# Altium PCB SI944D.PcbDoc (part 5 of 5)
Units mm, origin at the board's own origin, x right, y up, seen from the top; angles counter-clockwise.
Board outline 281.94 x 89 mm, 4 copper layers (Top, MidLayer1, MidLayer2, Bottom), stack 1.65 mm thick; 571 components, 351 nets, 1529 pads, 905 vias.
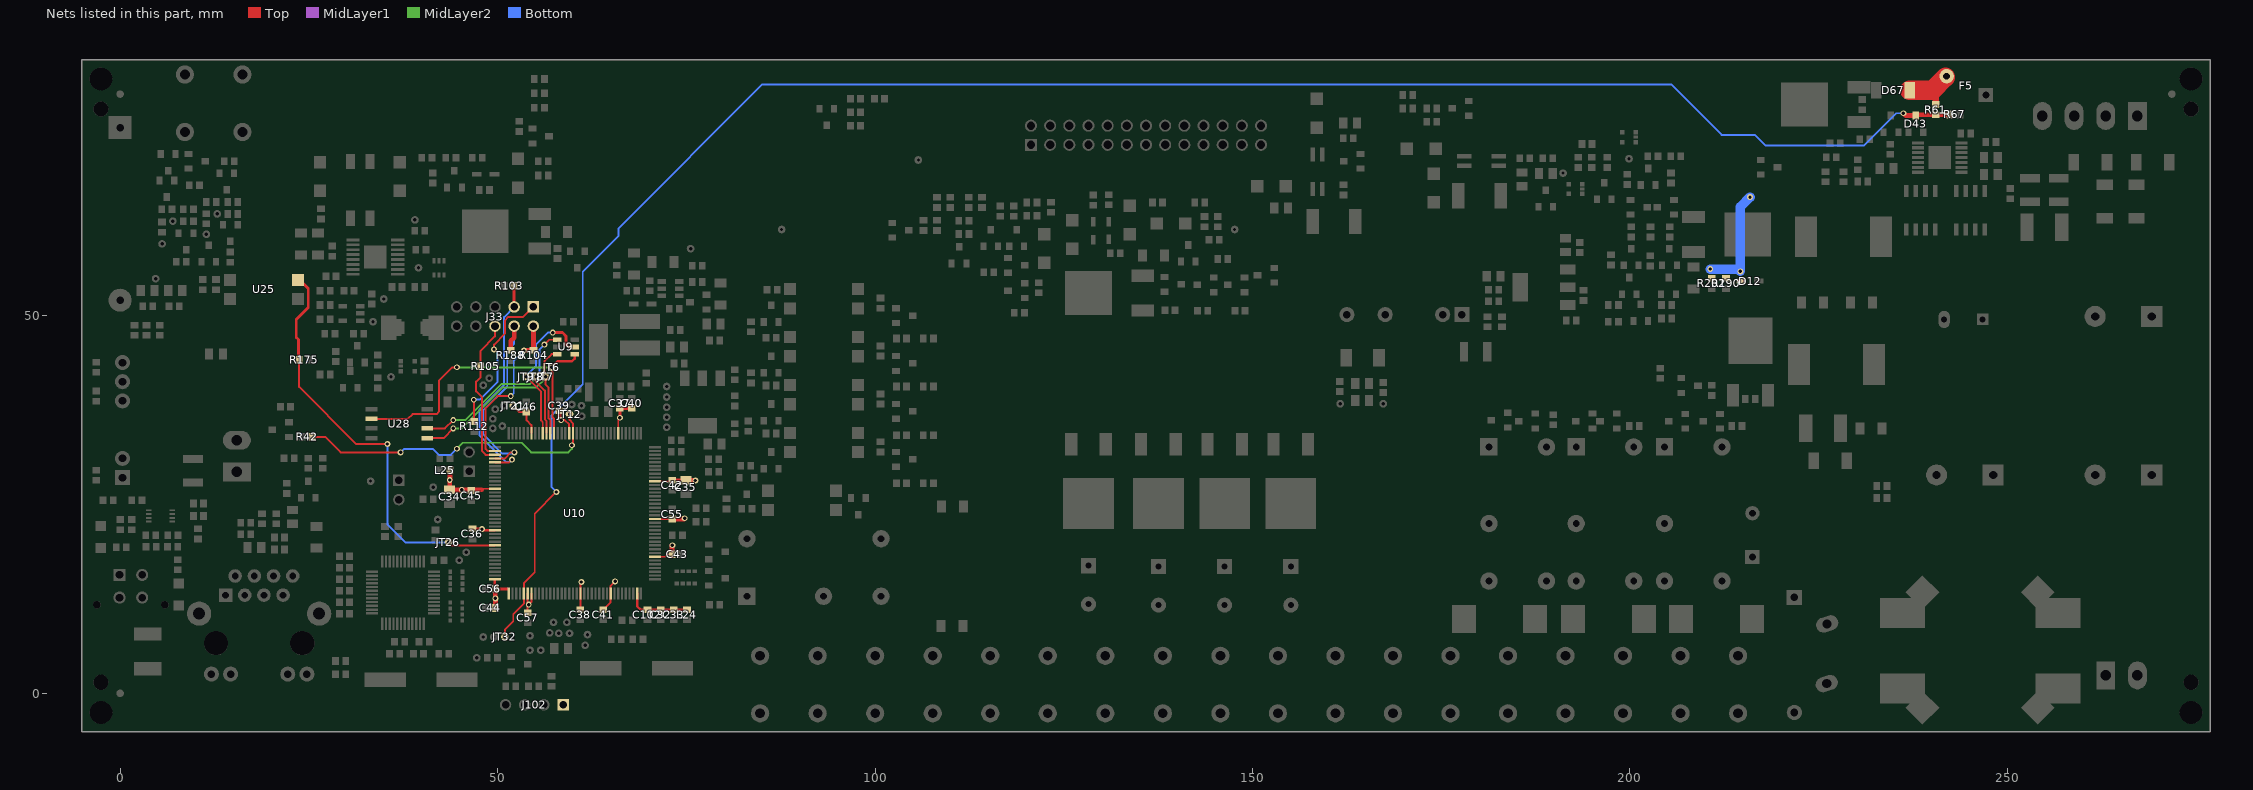
[diagram p7: the nets of this part, all layers, seen from the top]

## Via types
v1: diameter 0.77, hole 0.45, Top to Bottom, 900 vias
v2: diameter 1.27, hole 0.8, Top to Bottom, 4 vias
v3: diameter 1.016, hole 0.45, Top to Bottom, 1 vias

## Nets (pads, with @x,y where several pads share a name; then routed paths per layer and width w, separated by ;. In a path a pad name is that pad's centre, name@x,y a point inside that pad or via, vN(x,y) a via of type N, cw(c..) or ccw(c..) an arc to the next point about the centre after c; other vN are vias at no path point) (continued)
UC_SPI_CS: JT9.1 U9.5 U10.27 | length 20.4
  Top w0.254: JT9.1@53.816,41.91 55.753,39.973 55.753,36.163 55.982,35.934 U10.27@55.982,34.443
  Top w0.381: v1(57.309,47.784) 58.579,47.784 59.055,47.307 59.055,46.196 59.372,45.879 U9.5@60.205,45.879
  Bottom w0.254: JT9.1@53.816,41.91 53.816,42.069 55.086,43.339 55.086,46.196 56.674,47.784 v1(57.309,47.784)
UC_SPI_MISO: JT6.1 U9.4 U10.24 U28.2 | length 42.1
  Top w0.254: U28.2@33.289,36.354 38.1,36.354 38.735,36.989 41.91,36.989 42.227,37.306 42.227,41.434 43.974,43.18 v1(44.609,43.18) ; JT6.1@57.277,43.307 57.277,36.544 57.482,36.339 U10.24@57.482,34.443
  Top w0.305: JT6.1@57.277,43.307 57.944,43.974 59.849,43.974 60.205,44.33 U9.4@60.205,44.929
  MidLayer2 w0.254: v1(44.609,43.18) 56.832,43.18 JT6.1@57.15,43.497
UC_SPI_MOSI: JT7.1 U9.3 U10.25 U28.5 | length 31.1
  Top w0.254: U28.5@40.689,33.814 42.862,33.814 v1(44.133,35.084) ; U10.25@56.982,34.443 56.982,36.204 56.769,36.417 56.769,40.481 56.356,40.894 JT7.1@56.356,41.91 56.197,42.069 56.197,43.974 57.152,44.929 U9.3@57.905,44.929
  MidLayer2 w0.254: v1(44.133,35.084) 45.244,35.084 50.641,40.481 55.086,40.481 56.356,41.751 JT7.1@56.356,41.91
UC_SPI_SCK: JT8.1 U9.1 U10.26 U28.6 | length 32.2
  Top w0.254: U28.6@40.689,35.084 43.021,35.084 v1(44.133,36.195) ; JT8.1@55.086,42.069 JT8.1@55.086,41.91 55.086,41.275 56.261,40.1 56.261,36.29 56.482,36.069 U10.26@56.482,34.443 ; v1(56.197,46.196) 56.83,46.829 U9.1@57.905,46.829
  MidLayer2 w0.254: v1(44.133,36.195) 45.72,36.195 50.482,40.957 54.292,40.957 55.086,41.751 JT8.1@55.086,41.91 JT8.1@55.086,42.069
  Bottom w0.254: JT8.1@55.086,42.069 55.562,42.545 55.562,45.561 v1(56.197,46.196)
UC_T\R\S\T\/DSCLK: J33.6 R105.1 U10.39 | length 19.8
  Top w0.254: U10.39@49.632,31.593 48.417,31.593 47.942,32.067 47.942,39.211 47.149,40.005 47.149,41.275 47.748,41.874 R105.1@47.748,43.339 47.748,45.367 49.657,47.276 J33.6@49.657,48.641
UC_TCLK: J33.1 R112.1 | length 20.5
  Top w0.254: v1(46.831,38.894) 46.899,38.826 R112.1@46.899,36.012 ; v1(49.53,45.561) 49.53,46.196 50.959,47.625 50.959,49.371 51.435,49.847 53.404,49.847 J33.1@54.737,51.181
  Bottom w0.254: v1(46.831,38.894) 47.625,38.894 50.006,41.275 50.006,45.085 v1(49.53,45.561)
UC_TDI/DSI: J33.4 R188.1 U10.40 | length 27.6
  Top w0.254: U10.40@49.632,31.093 50.937,31.093 51.752,31.909 v1(52.229,31.909)
  Top w0.635: R188.1@51.752,45.438 51.752,46.672 52.197,47.117 J33.4@52.197,48.641
  Bottom w0.254: J33.4@52.197,48.641 52.197,46.323 51.276,45.402 51.276,40.64 48.101,37.465 48.101,34.29 50.641,31.75 52.07,31.75 v1(52.229,31.909)
UC_TDO/DSO: J33.3 R103.1 U10.41 | length 30
  Top w0.254: U10.41@49.632,30.593 51.548,30.593 v1(51.911,30.956)
  Top w0.381: J33.3@52.193,51.185 R103.1@52.193,53.975
  Top w0.635: J33.3@52.193,51.185 J33.3@52.197,51.181
  Bottom w0.254: v1(51.911,30.956) 51.594,30.639 51.117,30.639 47.625,34.131 47.625,37.624 50.858,40.857 50.858,49.842 J33.3@52.197,51.181
UC_TELEINFO_DATA: JT26.1 R175.1 U10.63 U25.4 | length 56.4
  Top w0.254: R175.1@23.713,44.196 23.713,40.58 31.274,33.02 v1(35.401,33.02) v1@35.401,32.861 ; JT26.1@43.497,20.002 43.907,19.593 U10.63@49.632,19.593
  Top w0.381: R175.1@23.622,44.196 23.622,46.863 23.336,47.149 23.336,49.53 24.924,51.117 24.924,53.617 U25.4@23.677,54.864
  Bottom w0.254: v1@35.433,32.861 35.433,22.352 37.782,20.002 JT26.1@43.497,20.002
UC_TELEINFO_LED: JT12.1 R42.1 U10.19 | length 42.4
  Top w0.254: R42.1@25.436,33.972 27.146,33.972 29.21,31.909 v1(37.148,31.909) ; JT12.1@59.531,36.989 59.531,36.227 59.982,35.776 U10.19@59.982,34.443 59.982,32.995 v1(59.849,32.861)
  MidLayer1 w0.254: JT12.1@59.531,36.989 JT12.1@59.531,37.148
  MidLayer2 w0.254: v1(44.609,32.385) 45.413,33.189 53.171,33.189 54.451,31.909 59.372,31.909 59.849,32.385 v1(59.849,32.861)
  Bottom w0.254: v1@36.989,32.067 v1(37.148,31.909) 37.624,32.385 41.434,32.385 42.227,31.591 43.815,31.591 v1(44.609,32.385)
UC_TMS/B\K\P\T\: J33.2 R104.1 U10.38 | length 22
  Top w0.254: U10.38@49.632,32.093 48.711,32.093 48.419,32.385 48.419,37.782 50.006,39.37 v1(51.752,39.37)
  Top w0.635: v1(53.499,45.402) 53.534,45.438 R104.1@54.769,45.438 54.769,48.609 J33.2@54.737,48.641
  Bottom w0.254: v1(51.752,39.37) 52.142,39.76 52.142,44.046 v1(53.499,45.402)
UC_VBATT: D43.3 JT32.1 R61.1 R67.2 U10.77 | length 250.4
  Top w0.254: JT32.1@50.959,7.461 50.959,8.414 52.07,9.525 52.07,10.477 53.482,11.89 U10.77@53.482,13.243 53.482,14.605 54.927,16.05 54.927,23.812 v1(57.785,26.67)
  Top w0.635: v1(236.22,76.835) 236.517,76.538 D43.3@237.871,76.538 237.974,76.641 R61.1@240.506,76.641 242.34,76.641 R67.2@242.376,76.676
  Bottom w0.254: v1(57.785,26.67) 57.15,27.305 57.15,36.83 61.277,40.957 61.277,55.816 66.04,60.579 66.04,61.595 85.09,80.645 205.461,80.645 212.128,73.977 216.535,73.977 217.964,72.549 230.981,72.549 235.267,76.835 v1(236.22,76.835)
VBATT: D12.K D67.A F5.2 R61.2 R190.2 R202.2 | length 21.8
  Top w0.889: 240.411,79.756 240.506,79.661 R61.2@240.506,77.982
  Top w2.54: D67.A@237.036,79.883 240.062,79.883 F5.2@241.776,81.597
  Bottom w1.27: v1(210.629,56.197) 214.312,56.197 v1(214.63,55.88) 214.63,64.453 v1(215.9,65.722)
VDD_CPU: C34.2 C35.2 C36.1 C37.1 C38.1 C39.1 C40.1 C41.1 C42.1 C43.1 C44.1 C45.1 C46.1 C55.1 C56.1 C57.1 J102.1 JT21.1 L25.2 U10.7 U10.20 U10.30 U10.48 U10.59 U10.72 U10.73 U10.78 U10.79 U10.92 U10.100 U10.115 U10.125 U10.135 | length 56.6
  Top w0.254: 47.915,26.96 48.048,27.093 U10.48@49.632,27.093 ; U10.73@51.359,13.792 51.482,13.669 U10.73@51.482,13.243 ; C46.1@53.848,37.271 53.848,36.163 54.482,35.529 U10.30@54.482,34.443 ; C57.1@53.975,10.989 53.982,10.996 v1@53.982,11.906 ; U10.78@53.982,13.243 v1@53.982,11.906 ; U10.79@54.482,13.243 54.482,12.096 54.292,11.906 v1@53.982,11.906 ; v1(58.42,36.195) 58.896,36.195 59.482,35.609 U10.20@59.482,34.443 ; C38.1@60.96,11.085 60.982,11.107 U10.92@60.982,13.243 60.982,14.627 v1(61.098,14.743) ; C41.1@63.976,11.085 64.982,12.09 U10.100@64.982,13.243 64.982,14.246 v1(65.564,14.827) ; U10.7@65.982,34.443 65.982,36.137 v1@66.199,36.354 ; U10.115@70.832,18.093 72.227,18.093 72.549,18.415 73.112,18.415 C43.1@73.116,18.41 ; U10.125@70.832,23.093 C55.1@73.137,23.093 ; U10.135@70.832,28.093 73.015,28.093 C42.1@73.152,28.23
  Top w0.305: C36.1@46.672,21.784 47.907,21.784 v1(47.942,21.749) 48.098,21.593 U10.59@49.632,21.593 ; C56.1@49.632,13.904 C56.1@49.693,13.843 ; JT21.1@52.07,38.1 52.899,37.271 C46.1@53.816,37.271 ; JT21.1@52.07,38.227 JT21.1@52.133,38.163
  Top w0.381: C56.1@49.632,13.904 U10.72@49.632,15.037 ; C56.1@49.693,13.792 U10.73@51.359,13.792 ; v1(66.199,36.512) C37.1@66.199,37.747 C40.1@67.786,37.747
  Top w0.508: C42.1@73.152,28.23 74.894,28.23 C35.2@74.93,28.194
  Top w0.635: L25.2@43.692,29.369 43.692,28.293 v1(43.656,28.258) C34.2@43.656,26.949 45.234,26.949 v1(45.244,26.96) 47.915,26.96 ; C44.1@49.693,11.303 49.708,11.318 v1(49.708,12.573) ; v1@49.693,12.573 C56.1@49.693,13.792 ; C39.1@58.166,37.429 58.166,36.449 v1(58.42,36.195) ; C43.1@73.116,18.41 73.116,19.586 v1(73.152,19.621) ; C55.1@73.137,23.093 74.687,23.093 v1(74.771,23.177) ; C35.2@74.93,28.194 C35.2@74.93,28.219 74.955,28.194 v1(76.2,28.194)
  other v1: 54.134,11.747
VDD_PLL: C32.1 C33.1 C102.2 L24.2 U10.107 | length 8.5
  Top w0.305: U10.107@68.482,13.243 68.482,11.528 68.925,11.085 C102.2@69.85,11.085 C32.1@71.596,11.085 C33.1@73.343,11.085 L24.2@75.089,11.085
pads on no net: D11.3 D24.3 D50.1 D51.2 D52.2 D56.2 D57.1 D58.2 D64.1 J31.FIX1 J31.FIX2 J32.FIX3 J32.FIX4 MIR1.1 MIR2.1 MIR3.1 Q2.3 U1.15 U10.1 U10.12 U10.18 U10.22 U10.47 U10.50 U10.51 U10.52 U10.53 U10.54 U10.61 U10.62 U10.64 U10.67 U10.68 U10.69 U10.80 U10.81 U10.94 U10.95 U10.97 U10.98 U10.118 U10.130 U10.131 U10.132 U10.133 U10.136 U10.137 U10.142 U12.3 U13.8 U13.9 U13.10 U13.11 U13.12 U13.21 U13.22 U13.23 U13.24 U13.25 U13.27 U13.36 U13.37 U18.1 U20.1
copper on no net: | length 175.5
  Top w0.254: 272.574,13.427 275.907,13.427 275.907,10.925 ; 275.907,12.906 275.907,15.922 275.901,15.929 272.574,15.929 272.574,8.423 ; 272.574,8.423 272.574,5.921 275.907,5.921 275.907,8.423 ; 272.574,8.423 275.907,8.423 ; 272.574,8.423 275.907,8.423 ; 275.907,8.423 275.907,10.925 ; 275.907,10.925 272.574,10.925 275.907,10.925
  MidLayer1 w0.254: 272.574,13.427 275.907,13.427 275.907,10.925 ; 275.907,12.906 275.907,15.922 275.901,15.929 272.574,15.929 272.574,8.423 ; 272.574,8.423 272.574,5.921 275.907,5.921 275.907,8.423 ; 272.574,8.423 275.907,8.423 ; 272.574,8.423 275.907,8.423 ; 275.907,8.423 275.907,10.925 ; 275.907,10.925 272.574,10.925 275.907,10.925
  MidLayer2 w0.254: 272.574,13.427 275.907,13.427 275.907,10.925 ; 275.907,12.906 275.907,15.922 275.901,15.929 272.574,15.929 272.574,8.423 ; 272.574,8.423 272.574,5.921 275.907,5.921 275.907,8.423 ; 272.574,8.423 275.907,8.423 ; 272.574,8.423 275.907,8.423 ; 275.907,8.423 275.907,10.925 ; 275.907,10.925 272.574,10.925 275.907,10.925
  Bottom w0.254: 272.574,13.427 275.907,13.427 275.907,10.925 ; 275.907,12.906 275.907,15.922 275.901,15.929 272.574,15.929 272.574,8.423 ; 272.574,8.423 275.907,8.423 ; 272.574,8.423 275.907,8.423 ; 272.574,8.423 272.574,5.921 275.907,5.921 275.907,8.423 ; 275.907,8.423 275.907,10.925 ; 275.907,10.925 272.574,10.925 275.907,10.925

## Polygon pours and split planes (outlines as drawn)
+3V3S on MidLayer2 "MidLayer2-+3V3S" (solid, remove dead copper, pour order 63): 74.612,38.259 79.216,38.259 82.709,34.766 82.709,23.971 80.01,21.273 80.01,11.906 75.406,7.302 74.295,7.302 73.977,7.62 73.977,9.207 73.025,10.16 73.025,14.764 76.676,18.415 76.676,29.051 73.025,32.703 71.12,32.703 64.135,39.688 49.054,39.688 45.085,35.719 45.085,31.75 43.18,29.845 31.591,29.845 26.352,24.606 23.971,24.606 22.225,22.86 14.605,22.86 12.383,20.637 9.366,20.637 9.366,22.384 12.383,25.4 16.669,25.4 24.289,33.02 24.289,49.371 25.241,50.324 29.686,50.324 36.512,57.15 36.512,59.214 38.1,60.801 56.356,60.801 73.66,43.497 73.66,39.211
VDD_CPU on MidLayer2 "MidLayer2-VDD_CPU" (solid, remove dead copper, pour order 60): 45.085,27.781 47.625,27.781 47.942,28.099 47.942,36.83 50.006,38.894 53.499,38.894 54.61,40.005 63.659,40.005 71.12,32.544 73.025,32.544 76.041,29.527 76.041,18.415 64.611,6.985 64.611,-1.429 63.659,-2.381 57.309,-2.381 57.15,-2.222 57.15,3.651 56.674,4.127 53.023,4.127 51.276,5.874 51.276,8.096 47.149,12.224 47.149,22.225 46.514,22.86 44.926,22.86 44.45,23.336 44.45,27.146
+24V on MidLayer2 "MidLayer2-+24V" (solid, remove dead copper, pour order 62): 264.16,26.035 238.76,26.035 236.855,27.94 236.855,49.53 253.365,66.04 269.367,66.04 270.081,65.326 270.081,60.119 269.24,59.277 265.716,59.277 265.113,58.674 265.113,26.987
NetC58_2 on MidLayer2 "MidLayer2-NetC58_2" (solid, remove dead copper, pour order 54): 28.575,13.335 27.94,12.7 26.035,12.7 22.86,9.525 22.86,5.715 24.13,4.445 24.13,1.27 23.495,0.635 10.795,0.635 10.16,1.27 10.16,4.445 10.795,5.08 13.97,5.08 17.145,8.255 17.145,12.065 16.51,13 16.51,17.145 15.875,17.78 15.875,20.955 16.51,21.59 19.685,21.59 21.59,19.685 28.258,19.685 28.575,19.367
NetC54_2 on MidLayer2 "MidLayer2-NetC54_2" (solid, remove dead copper, pour order 53): 32.385,20.002 32.385,13.716 32.004,13.335 31.496,13.335 31.242,13.081 31.274,12.383 33.496,10.16 33.496,7.461 33.814,7.144 38.576,7.144 38.894,7.461 38.862,15.494 42.037,18.669 42.037,19.177 37.084,24.13 28.892,24.13 27.464,22.701 24.13,22.701 23.971,22.543 23.971,21.114 24.289,20.796 31.591,20.796
no net on MidLayer2 "MidLayer2-No Net" (solid, pour order 64): -4.445,83.92 19.228,83.92 19.209,51.752 19.209,46.514 7.302,34.608 -4.445,34.608
+5VS on MidLayer2 "MidLayer2-+5VS" (solid, remove dead copper, pour order 56): 74.136,43.656 56.197,61.595 39.688,61.595 41.116,63.024 56.832,63.024 61.595,58.261 73.025,58.261 74.93,56.356 85.407,56.356 86.042,55.721 86.042,37.306 85.249,36.512 83.185,36.512 82.391,35.719 79.375,38.735 74.612,38.735 74.136,39.211
VBATT on MidLayer2 "MidLayer2-VBATT" (solid, remove dead copper, pour order 55): 220.821,66.675 237.49,83.344 243.84,83.344 245.11,82.074 245.11,78.105 230.188,63.182 214.312,63.182 213.995,63.5 213.995,66.358 214.312,66.675
GND on MidLayer2 "MidLayer2-GND" (solid, remove dead copper, pour order 65): 23.654,83.82 23.019,83.185 23.019,69.85 21.749,68.58 21.749,45.561 8.731,32.544 -3.492,32.544 -4.445,31.591 -4.445,-4.445 71.755,-4.445 77.47,1.27 77.47,5.556 82.074,10.16 84.455,10.16 85.249,10.954 85.249,17.145 87.471,19.367 87.471,27.464 89.218,29.21 89.218,57.626 92.805,61.214 103.759,61.214 116.078,48.895 149.479,48.895 157.607,57.023 170.148,57.023 174.625,52.546 174.625,48.26 178.435,44.45 178.435,30.639 179.229,29.845 218.916,29.845 225.266,23.495 271.78,23.495 273.05,24.765 273.05,83.82
+15VS on MidLayer2 "MidLayer2-+15VS" (solid, remove dead copper, pour order 57): 222.091,36.036 217.329,36.036 217.17,36.195 217.17,38.1 222.504,43.434 222.504,53.721 218.44,57.785 212.09,57.785 207.645,62.23 207.645,67.31 205.74,69.215 170.18,69.215 164.147,63.182 121.92,63.182 117.792,67.31 85.725,67.31 78.74,60.325 60.642,60.325 56.515,64.453 36.989,64.453 33.02,60.484 27.305,54.737 25.908,54.737 25.527,55.118 25.527,66.929 31.274,72.707 47.784,72.707 51.435,76.359 217.17,76.359 217.17,79.851 218.44,81.121 223.044,81.121 223.52,80.645 223.52,71.755 219.869,68.104 212.249,68.104 211.614,67.469 211.614,62.547 212.725,61.436 222.567,61.436 226.695,57.309 226.695,40.64
+15V on MidLayer2 "MidLayer2-+15V" (solid, remove dead copper, pour order 58): 231.934,35.719 232.569,35.084 232.569,30.956 230.822,29.21 221.139,29.21 218.757,31.591 215.424,31.591 214.154,32.861 214.154,43.974 214.63,44.45 218.44,44.45 218.916,44.926 218.916,50.959 218.281,51.594 200.501,51.594 196.774,55.321 196.774,59.842 201.066,64.135 204.851,64.135 211.836,57.15 218.44,57.15 222.25,53.214 222.25,43.656 219.551,40.957 219.551,38.259 222.091,35.719
+15VSP on MidLayer2 "MidLayer2-+15VSP" (solid, remove dead copper, pour order 59): 218.44,51.276 213.519,51.276 212.09,49.847 199.072,49.847 195.262,53.657 195.262,63.182 194.786,63.659 181.769,63.659 181.292,63.182 181.292,37.148 179.07,34.925 179.07,30.956 179.546,30.48 205.74,30.48 207.01,31.75 207.01,41.275 210.82,45.085 218.123,45.085 218.916,45.879 218.916,50.8
GNDISOTI on Bottom "Bottom-GNDISOTI" (solid, remove dead copper, pour order 66): -4.445,83.82 16.51,83.82 16.51,55.562 10.001,49.054 -4.445,49.054
GND on Bottom "Bottom-GND" (solid, remove dead copper, pour order 67): 29.337,80.137 29.337,61.087 21.749,53.499 21.749,45.879 8.414,32.544 -3.334,32.544 -4.445,31.432 -4.445,-4.445 71.755,-4.445 77.47,1.27 77.47,7.461 81.439,11.43 81.439,21.749 89.218,29.527 89.218,57.468 93.345,61.595 96.679,61.595 103.378,61.595 116.078,48.895 149.479,48.895 158.051,57.468 170.656,57.468 174.625,53.499 174.625,47.307 178.435,43.497 178.435,30.48 179.229,29.686 220.662,29.686 226.854,23.495 271.78,23.495 273.209,24.924 273.177,83.947 33.147,83.947
GNDISOTI on MidLayer1 "MidLayer1-GNDISOTI" (solid, remove dead copper, pour order 51): -4.445,83.82 18.098,83.82 18.098,56.991 7.938,46.831 -4.127,46.831 -4.445,47.149
GND on MidLayer1 "MidLayer1-GND" (solid, remove dead copper, pour order 52): 25.717,83.82 23.019,81.121 23.019,52.229 21.749,50.959 21.749,45.561 8.731,32.544 -3.016,32.544 -4.445,31.115 -4.445,-4.445 71.755,-4.445 77.47,1.27 77.47,5.556 82.074,10.16 84.455,10.16 85.249,10.954 85.249,17.145 87.471,19.367 87.471,27.464 89.218,29.21 89.218,33.179 90.487,34.449 90.487,58.896 92.71,61.119 103.854,61.119 116.078,48.895 149.479,48.895 157.575,56.991 170.18,56.991 173.514,53.657 173.514,48.419 178.435,43.497 178.435,31.591 179.546,30.48 218.281,30.48 225.266,23.495 271.78,23.495 273.05,24.765 273.05,83.82
NetC77_1 on Top "Top-NetC77_1" (solid, remove dead copper, pour order 38): 225.806,71.755 225.806,69.342 226.087,69.215 229.736,69.215 230.859,69.215 231.14,69.342 231.14,71.501 231.14,71.755 230.859,71.882 226.087,71.882
+24V on Top "Top-+24V" (solid, remove dead copper, pour order 42): 255.27,56.515 249.079,50.324 249.079,47.466 248.126,46.514 237.649,46.514 236.537,45.402 236.537,26.67 264.16,26.67 265.43,27.94 265.43,57.785 269.875,62.23 269.875,64.77 268.224,66.421 255.651,66.421 255.27,66.04
+15V on Top "Top-+15V" (solid, remove dead copper, pour order 37): 226.377,37.148 226.854,37.624 231.14,37.624 231.775,36.989 231.775,29.21 231.457,28.892 226.695,28.892 226.377,29.21
+12VSP on Top "Top-+12VSP" (solid, remove dead copper, pour order 39): 177.959,57.309 178.435,57.785 190.024,57.785 190.024,49.53 180.181,49.53 179.705,50.006 179.705,50.641 179.229,51.117 179.229,51.911 177.959,51.911
NetC47_2 on Top "Top-NetC47_2" (solid, remove dead copper, pour order 40): 248.412,65.532 249.809,67.945 251.301,67.945 251.778,67.469 254.317,67.469 254.317,57.944 252.73,56.356 243.522,56.356 242.411,57.468 242.411,62.547 242.887,63.024 247.968,63.024 248.444,63.5
NetC23_1 on Top "Top-NetC23_1" (solid, remove dead copper, pour order 41): 242.887,66.04 247.65,66.04 247.968,65.722 247.968,63.024 247.015,62.071 242.729,62.071 241.776,61.119 241.776,57.468 241.141,56.832 230.346,56.832 229.743,57.404 229.743,68.58 230.029,68.897 231.457,68.897 231.457,71.755 231.775,72.072 234.569,72.095 234.696,71.97 234.696,70.485 239.077,70.485 239.077,69.469 234.696,69.469 234.696,64.262 235.585,63.373 240.189,63.341
GND on Top "Top-GND" (solid, remove dead copper, pour order 43): 22.86,83.82 22.86,70.167 21.749,69.056 21.749,45.561 8.731,32.544 4.921,32.544 4.255,31.877 -3.683,31.877 -4.445,31.115 -4.445,-4.445 71.755,-4.445 77.47,1.27 77.47,7.62 80.645,10.795 82.55,10.795 83.026,11.271 83.026,16.669 87.471,21.114 87.471,27.464 89.376,29.369 89.376,57.785 93.186,61.595 96.679,61.595 103.505,61.595 108.458,56.642 112.141,52.959 114.935,52.959 118.11,49.784 149.638,49.784 156.845,56.991 172.561,56.991 174.625,54.927 174.625,48.26 186.214,36.671 216.218,36.512 216.218,33.972 226.695,23.495 271.78,23.495 273.05,24.765 273.05,83.82

## Keep-outs
Board:
  the board outline again, w0.254

## Other copper
Top:
  rectangle net +15VS: 218.575,74.93 221.75,80.962
  rectangle net +15VSP: 212.852,49.657 219.075,51.117
  rectangle net GND: 32.379,55.467 35.401,60.166
  rectangle net +15VSP: 191.135,55.213 193.992,58.261
  rectangle net VBATT: 210.185,54.61 215.582,56.515
  rectangle net NetF9_1: 151.725,15.367 158.4,23.241
  rectangle net NetF8_1: 142.975,15.367 149.65,23.241
  rectangle net NetF7_1: 134.2,15.367 140.875,23.241
  rectangle net NetF6_1: 124.925,15.494 131.625,23.368
  rectangle net +12VISOFP: 128.475,31.2 132.725,34.55
  rectangle net +12VISOFP: 137.7,31.3 141.85,34.5
  rectangle net +12VISOFP: 146.35,31.45 150.8,34.475
  rectangle net +12VISOFP: 155.175,31.475 159.6,34.6
  pour cut-out: 269.875,78.105 269.875,65.024 261.493,65.024 260.731,65.786 260.731,78.486 262.255,80.01 267.97,80.01
  pour cut-out: 66.04,46.863 66.294,46.609 72.517,46.609 72.898,46.99 72.898,49.022 73.66,49.784 73.66,50.292 71.755,50.292 71.501,50.038 66.04,50.038
  pour cut-out: 276.86,-5.08 271.78,-5.08 271.78,3.545 276.86,3.545
  pour cut-out: 0,-5.08 -5.08,-5.08 -5.08,3.545 0,3.545
  pour cut-out: 276.86,83.92 271.78,83.92 271.78,75.295 276.86,75.295
  pour cut-out: 0,83.92 -5.08,83.92 -5.08,75.295 0,75.295
  pour cut-out: 12.7,16.764 12.7,11.049 20.066,11.049 20.066,13.716 21.463,14.732 21.463,17.018 12.954,17.018
  pour cut-out: 21.082,24.892 21.209,23.622 22.225,23.622 22.225,22.86 22.098,22.733 20.955,22.733
  pour cut-out: 228.7,79.252 228.727,81.407 226.187,81.407 226.187,74.422 228.854,74.422 228.857,76.225 233.761,76.325 233.723,79.248
  pour cut-out: 209.804,64.181 219.075,64.135 219.075,56.832 203.835,56.832 203.359,57.15 203.359,60.801 203.454,61.341 208.534,61.341 209.804,62.611
  pour cut-out: 212.471,43.561 210.312,41.402 210.312,39.751 217.932,39.751 219.202,41.021 219.202,43.561
  pour cut-out: 44.926,64.611 56.515,64.611 56.515,57.785 44.926,57.785
  text "1" at 275.272,6.836 h2.03 r90
MidLayer1:
  rectangle net +12VISOFP: 127.762,30.734 159.766,37.084
  rectangle net NetF9_1: 151.725,15.367 158.4,23.241
  rectangle net NetF8_1: 142.975,15.367 149.65,23.241
  rectangle net NetF7_1: 134.2,15.367 140.875,23.241
  rectangle net NetF6_1: 124.925,15.494 131.625,23.368
  pour cut-out: 176.536,51.365 175.576,51.365 175.576,48.965 176.536,48.965
  pour cut-out: 276.86,-5.08 271.78,-5.08 271.78,3.545 276.86,3.545
  pour cut-out: 0,-5.08 -5.08,-5.08 -5.08,3.545 0,3.545
  pour cut-out: 276.86,83.92 271.78,83.92 271.78,75.295 276.86,75.295
  pour cut-out: 0,83.92 -5.08,83.92 -5.08,75.295 0,75.295
  pour cut-out: 251.218,79.578 251.218,73.863 270.268,73.863 270.268,79.578
  text "2" at 275.272,8.937 h2.03 r90
MidLayer2:
  rectangle net NetF9_1: 152.273,15.367 157.861,23.241
  rectangle net NetF8_1: 143.51,15.367 149.098,23.241
  rectangle net NetF7_1: 134.747,15.367 140.335,23.241
  rectangle net NetF6_1: 125.476,15.494 131.064,23.368
  rectangle net +12VISOFP: 127.762,30.734 159.766,37.084
  rectangle net NetF6_1: 124.925,15.494 131.625,23.368
  rectangle net NetF7_1: 134.2,15.367 140.875,23.241
  rectangle net NetF8_1: 142.975,15.367 149.65,23.241
  rectangle net NetF9_1: 151.725,15.367 158.4,23.241
  pour cut-out: 276.86,-5.08 271.78,-5.08 271.78,3.545 276.86,3.545
  pour cut-out: 0,-5.08 -5.08,-5.08 -5.08,3.545 0,3.545
  pour cut-out: 276.86,83.92 271.78,83.92 271.78,75.295 276.86,75.295
  pour cut-out: 0,83.92 -5.08,83.92 -5.08,75.295 0,75.295
  pour cut-out: 19.812,16.891 23.368,16.891 24.13,16.129 24.13,13.716 22.336,11.958 21.082,11.938 20.574,12.446 20.546,13.744 19.177,15.113 19.177,16.256
  text "3" at 275.272,12.906 h2.03 r90
Bottom:
  rectangle net NetF9_1: 152.273,15.367 157.861,23.241
  rectangle net NetF8_1: 143.51,15.367 149.098,23.241
  rectangle net NetF7_1: 134.747,15.367 140.335,23.241
  rectangle net NetF6_1: 125.476,15.494 131.064,23.368
  rectangle net GND: 239.522,69.699 242.443,71.858
  rectangle net +12VISOFP: 127.762,30.734 159.766,34.6
  rectangle net NetF6_1: 124.925,15.494 131.625,23.368
  rectangle net NetF7_1: 134.2,15.367 140.875,23.241
  rectangle net NetF8_1: 142.975,15.367 149.65,23.241
  rectangle net NetF9_1: 151.725,15.367 158.4,23.241
  pour cut-out: 276.86,-5.08 271.78,-5.08 271.78,3.545 276.86,3.545
  pour cut-out: 0,-5.08 -5.08,-5.08 -5.08,3.545 0,3.545
  pour cut-out: 276.86,83.92 271.78,83.92 271.78,75.295 276.86,75.295
  pour cut-out: 0,83.92 -5.08,83.92 -5.08,75.295 0,75.295
  pour cut-out: 19.696,11.881 15.251,11.881 15.251,16.583 15.686,17.018 20.57,17.018 21.008,16.58 21.008,14.008 20.938,14.008 20.654,14.292 20.195,13.833 20.195,12.418
  pour cut-out: 260.604,79.121 260.604,73.787 269.748,73.787 270.256,74.041 270.256,79.121
  text "4" at 275.272,15.446 h2.03 r90

## Silkscreen, mask and mechanical layers (free items; w line width, h text height)
Top Silk:
  circle w0.254: c244.317,49.847 r9
Bot Mask:
  rectangle: 152.273,15.367 157.861,23.241
  rectangle: 143.51,15.367 149.098,23.241
  rectangle: 134.747,15.367 140.335,23.241
  rectangle: 125.476,15.494 131.064,23.368
  rectangle: 127.762,30.734 159.766,34.625
  lines w2.032: 84.78,-2.65 84.78,4.97 86.885,4.97 93.186,11.271 93.186,12.859 ; 92.71,-2.54 100.33,-2.54 100.33,5.08 92.71,5.08 ; 100.806,12.859 100.806,11.747 107.584,4.97 107.64,4.97 107.64,-2.65
  lines w2.54: 115.26,-2.65 115.26,4.77 ; 115.26,4.97 115.26,18.034 113.157,20.137 113.157,24.765 121.539,24.765 129.794,33.02 130.556,33.02 ; 128.27,11.801 128.27,9.144 130.5,6.914 130.5,4.97 130.5,-2.65 ; 137.541,11.674 138.12,11.095 138.12,4.97 138.12,-2.65 ; 145.74,-2.65 145.74,4.97 145.74,11.11 146.304,11.674 ; 153.36,-2.65 153.36,4.97 153.36,9.967 155.067,11.674
3D Bodies TOP (Mec1):
  lines w0.254: 276.86,8.89 276.86,45.72
Cartouche TOP (Mec3):
  lines w0.127: -64.483,-123.927 -64.483,158.013 ; 174.277,-118.847 209.837,-118.847 324.137,-118.847
  lines w0.254: -64.483,-123.927 329.217,-123.927 329.217,158.013 -64.483,158.013 ; -64.483,-53.442 -59.403,-53.442 ; -64.483,17.043 -59.403,17.043 ; -64.483,87.528 -59.403,87.528 ; -15.207,-123.927 -15.207,-118.847 ; -15.207,152.933 -15.207,158.013 ; 33.942,-123.927 33.942,-118.847 ; 33.942,152.933 33.942,158.013 ; 83.091,-123.927 83.091,-118.847 ; 83.091,152.933 83.091,158.013 ; 132.367,-123.927 132.367,-118.847 ; 132.367,152.933 132.367,158.013 ; 181.516,-123.927 181.516,-118.847 ; 181.516,152.933 181.516,158.013 ; 181.897,-116.307 236.507,-116.307 ; 181.897,-113.132 236.507,-113.132 262.542,-113.132 324.137,-113.132 ; 181.897,-109.957 236.507,-109.957 ; 181.897,-106.782 236.507,-106.782 ; 181.897,-103.607 236.507,-103.607 ; 181.897,-100.432 236.507,-100.432 ; 181.897,-97.257 236.507,-97.257 ; 190.787,-118.847 190.787,-94.082 ; 202.217,-118.847 202.217,-94.082 ; 228.887,-118.847 228.887,-94.082 ; 230.665,-123.927 230.665,-118.847 ; 230.665,152.933 230.665,158.013 ; 236.507,-118.847 236.507,-94.082 ; 236.507,-104.877 312.329,-104.877 312.329,-94.145 ; 262.542,-118.847 262.542,-94.082 ; 262.542,-109.322 300.007,-109.322 ; 279.941,-123.927 279.941,-118.847 ; 279.941,152.933 279.941,158.013 ; 300.007,-113.132 300.007,-104.877 ; 312.329,-101.384 324.137,-101.384 ; 314.231,-104.877 320.2,-104.877 ; 324.137,-53.442 329.217,-53.442 ; 324.137,17.043 329.217,17.043 ; 324.137,87.528 329.217,87.528 ; 324.137,-118.847 181.897,-118.847 181.897,-94.082 324.137,-94.082 324.137,-118.847 ; 324.137,-118.847 -59.403,-118.847 -59.403,152.933 324.137,152.933 324.137,-118.847
  text "1" at -40.446,154.584 h1.78
  text "2" at 8.593,154.584 h1.78
  text "3" at 57.852,154.584 h1.78
  text "4" at 107.145,154.584 h1.78
  text "5" at 156.421,154.584 h1.78
  text "6" at 205.443,154.584 h1.78
  text "7" at 254.973,154.584 h1.78
  text "8" at 303.995,154.584 h1.78
  text "A" at -62.578,120.599 h1.78
  text "A" at 326.042,120.599 h1.78
  text "B" at -62.578,49.987 h1.78
  text "B" at 326.042,49.987 h1.78
  text "C" at -62.578,-20.625 h1.78
  text "C" at 326.042,-20.625 h1.78
  text "D" at -62.578,-90.729 h1.78
  text "D" at 326.042,-90.729 h1.78
  text "Sheet Size" at 312.707,-96.304 h2.54
  text "Circuit Imprimé pour carte" at 264.129,-98.527 h3.3
  text ".refSC" at 298.737,-98.527 h3.3
  text ".siSheetSize" at 316.644,-99.924 h3.56
  text "Printed Circuit Board for" at 267.622,-102.337 h3.05
  text ".refSC" at 297.467,-102.337 h3.05
  text "Print:" at 314.294,-104.242 h3.05
  text "View:" at 263.812,-108.052 h2.54
  text ".Printout_Name" at 269.844,-108.052 h2.54
  text "DATE:" at 301.277,-108.052 h3.05
  text ".Print_Date" at 309.913,-108.052 h3.05
  text ".refSI1" at 238.094,-111.227 h7.62
  text ".Print_Scale" at 301.277,-111.862 h3.05
  text "File:" at 264.129,-112.179 h2.54
  text ".Pcb_File_Name_No_Path" at 268.892,-112.179 h2.54
  text "a" at 185.707,-115.418 h3.05
  text "26/10/16" at 191.422,-115.672 h3.05
  text "Création" at 203.106,-115.672 h3.05
  text "CVO" at 229.552,-115.665 h3.05
  text "EDA: Altium Designer" at 237.777,-115.672 h2.54
  text "build" at 237.777,-117.958 h2.54
  text ".Application_BuildNumber" at 243.619,-117.958 h2.54
  text "Ind. Min" at 182.659,-118.339 h2.54
  text "Doc Date" at 192.057,-118.339 h2.54
  text "Objet" at 202.979,-118.339 h2.54
  text "Nom" at 230.157,-118.339 h2.54
  text "1" at -40.446,-122.276 h1.78
  text "2" at 8.593,-122.276 h1.78
  text "3" at 57.852,-122.276 h1.78
  text "4" at 107.145,-122.276 h1.78
  text "5" at 156.421,-122.276 h1.78
  text "6" at 205.443,-122.276 h1.78
  text "7" at 254.973,-122.276 h1.78
  text "8" at 303.995,-122.276 h1.78
Cartouche BOT (Mec4):
  drawing of 3703 lines, arcs and shapes, not listed
  text "8" at -38.626,157.378 h1.78
  text "7" at 10.396,157.378 h1.78
  text "6" at 59.926,157.378 h1.78
  text "5" at 108.948,157.378 h1.78
  text "4" at 158.224,157.378 h1.78
  text "3" at 207.517,157.378 h1.78
  text "2" at 256.776,157.378 h1.78
  text "1" at 305.815,157.378 h1.78
  text "A" at -60.673,123.393 h1.78
  text "A" at 327.947,123.393 h1.78
  text "B" at -60.673,52.781 h1.78
  text "B" at 327.947,52.781 h1.78
  text "C" at -60.673,-17.831 h1.78
  text "C" at 327.947,-17.831 h1.78
  text "D" at -60.673,-87.935 h1.78
  text "D" at 327.947,-87.935 h1.78
  text "Sheet Size" at -47.466,-93.821 h2.54
  text ".refSI1" at -33.368,-95.733 h3.3
  text "Circuit Imprimé pour carte" at 1.239,-95.733 h3.3
  text ".siSheetSize" at -50.831,-97.32 h3.56
  text ".refSI1" at -32.098,-99.543 h3.05
  text "Printed Circuit Board for" at -2.253,-99.543 h3.05
  text "Print:" at -48.926,-101.448 h3.05
  text ".Print_Date" at -44.544,-105.258 h3.05
  text "DATE:" at -35.908,-105.258 h3.05
  text ".Printout_Name" at -4.476,-105.258 h2.54
  text "View:" at 1.557,-105.258 h2.54
  text ".refSI1" at 26.957,-108.75 h7.62
  text ".Print_Scale" at -35.908,-109.068 h3.05
  text ".Pcb_File_Name_No_Path" at -3.523,-109.385 h2.54
  text "File:" at 1.239,-109.385 h2.54
  text "Ce document est la propriété de Seccom. Il est interdit de" at 1.557,-112.56 h2.54
  text "EDA: Altium Designer" at 27.592,-112.878 h2.54
  text "le reproduire ou de le communiquer sans son autorisation." at 1.557,-114.783 h2.54
  text ".Application_BuildNumber" at 21.75,-115.164 h2.54
  text "build" at 27.592,-115.164 h2.54
  text "8" at -38.626,-119.482 h1.78
  text "7" at 10.396,-119.482 h1.78
  text "6" at 59.926,-119.482 h1.78
  text "5" at 108.948,-119.482 h1.78
  text "4" at 158.224,-119.482 h1.78
  text "3" at 207.517,-119.482 h1.78
  text "2" at 256.776,-119.482 h1.78
  text "1" at 305.815,-119.482 h1.78
Mechanical 5:
  circle w0.051: c274.32,-2.54 r2.5
Cotes (Mec6):
  circle w0.254: c244.36,28.92 r10.5
  circle w0.254: c265.36,28.92 r10.5
  circle w0.254: c265.36,49.92 r10.5
  circle w0.254: c244.36,49.92 r10.5
  circle w0.254: c58.422,5.969 r3.3
  circle w0.254: c36.919,26.797 r6.5
  lines w0.254: -10.16,82.92 269.92,82.92 ; -10.08,44.92 29.92,44.92 ; -0.54,-4.08 296.1,-4.08 ; 12.7,45.18 12.7,75.64 ; 13.432,31.42 16.724,31.42 ; 15.47,28.879 15.47,32.171 ; 35.814,26.924 37.814,26.924 ; 36.92,26 36.92,28 ; 135.89,-5.08 135.89,82.92 ; 259.999,75.62 261.841,75.62 ; 260.92,75.62 260.92,78.059 ; 263.12,3.22 267.12,3.22 ; 265.12,-0.08 265.12,4.92
NonImprimables (Mec7):
  lines w0.1: 45.72,31.15 45.72,40.2 ; 88.9,33.055 88.9,42.105 ; 104.775,34.325 104.775,43.375 ; 142.24,61.595 174.82,61.595 ; 146.05,7.62 146.05,16.51 ; 149.225,50.2 149.225,59.25 ; 153.67,7.62 153.67,16.51 ; 159.385,50.2 159.385,59.25 ; 161.29,7.62 161.29,16.51 ; 168.91,7.62 168.91,16.51 ; 174.625,63.5 174.625,59.69 175.895,58.42 183.71,58.42 ; 182.88,32.42 182.88,41.47 ; 191.575,41.275 200.625,41.275 ; 196.885,41.275 205.935,41.275 ; 203.2,32.42 203.2,41.47 ; 217.17,29.88 217.17,38.93 ; 229.87,29.88 229.87,38.93 ; 245.11,29.88 245.11,38.93 ; 254,32.42 254,41.47 ; 264.16,32.42 264.16,41.47
  lines w0.254: -5.08,38.92 280.86,38.92
  lines w0.5: 20.32,-7.08 20.32,84.92 ; 35.56,-7.08 35.56,84.92 ; 50.8,-7.08 50.8,84.92 ; 66.04,-7.08 66.04,84.92 ; 81.28,-7.08 81.28,84.92 ; 96.52,-7.08 96.52,84.92 ; 111.76,-7.08 111.76,84.92 ; 127,-7.08 127,84.92 ; 142.24,-7.08 142.24,84.92 ; 157.48,-7.08 157.48,84.92 ; 172.72,-7.08 172.72,84.92 ; 187.96,-7.08 187.96,84.92 ; 203.2,-7.08 203.2,84.92 ; 218.44,-7.08 218.44,84.92 ; 233.68,-7.08 233.68,84.92 ; 248.92,-7.08 248.92,84.92 ; 259.08,-7.08 259.08,84.92 ; 269.24,-7.08 269.24,84.92
  lines w1: 5.08,-5.08 5.08,82.92 ; 271.78,-19.78 271.78,91.98
Outline:
  the board outline again, w0.025
DNI:
  lines w0.1: 2.667,18.574 5.461,20.034 ; 2.667,20.034 5.461,18.51 ; 5.715,18.574 8.509,20.034 ; 5.715,20.034 8.509,18.51 ; 10.192,52.737 11.716,55.531 ; 10.192,55.531 11.716,52.737 ; 11.938,52.737 13.462,55.531 ; 11.938,55.531 13.462,52.737 ; 25.749,48.768 28.543,50.292 ; 25.749,50.292 28.543,48.768 ; 35.56,46.831 41.91,50.006 ; 35.56,50.006 41.91,46.831 ; 36.398,46.425 40.97,50.489 ; 36.398,50.489 40.97,46.425 ; 44.95,28.15 47.49,33.23 ; 44.95,33.23 47.172,28.15 ; 49.784,-2.794 59.627,-0.254 ; 49.784,-0.254 59.944,-2.794 ; 50.355,0.254 53.149,1.714 ; 50.355,1.714 53.149,0.191 ; 50.99,43.37 52.514,46.164 ; 51.054,46.164 52.514,43.37 ; 53.404,0.254 56.197,1.714 ; 53.404,1.714 56.197,0.191 ; 162.179,42.037 167.005,46.863 ; 162.687,46.609 166.751,42.545 ; 233.172,-1.27 259.588,12.446 ; 233.426,12.192 259.588,-1.27
Top Assy:
  lines w0.254: 216.178,14.605 227.608,14.605 228.878,15.875 229.195,16.192 230.465,19.05 230.465,20.637 230.465,20.955 230.465,21.273 230.465,22.86 229.195,25.717 228.878,26.035 227.608,27.305 216.178,27.305 ; 224.79,13.018 232.569,13.018 ; 225.742,5.08 233.521,5.08 ; 226.854,-3.016 234.632,-3.016 ; 232.093,12.541 232.569,13.018 ; 232.093,13.494 232.569,13.018 ; 233.045,4.604 233.521,5.08 ; 233.045,5.556 233.521,5.08 ; 234.156,-3.492 234.632,-3.016 ; 234.156,-2.54 234.632,-3.016 ; 248.761,76.2 249.237,75.724 ; 249.237,83.502 249.237,75.724 ; 249.714,76.2 249.237,75.724
  text "coucher F5 sur la carte" at 232.251,85.09 h1.02
  text "JC1" at 47.149,29.845 h0.76 r90
  text "COUCHER" at 219.392,21.431 h0.76
  text "Courber VR1" at 225.107,3.175 h0.89
Drill Drawing:
  lines w0.381: -0.318,-78.994 98.208,-78.994 ; -0.318,-25.654 98.208,-25.654 ; 13.675,-82.804 13.675,-21.844 ; 31.399,-82.804 31.399,-21.844 ; 65.578,-82.804 65.578,-21.844 ; 78.427,-82.804 78.427,-21.844 ; -0.318,-82.804 98.208,-82.804 98.208,-21.844 -0.318,-21.844 -0.318,-82.804
  text "Symbol" at 1.968,-24.511 h1.83
  text "Hit Count" at 14.818,-24.511 h1.83
  text "Finished Hole Size" at 32.542,-24.511 h1.83
  text "Plated" at 66.721,-24.511 h1.83
  text "Hole Type" at 79.57,-24.511 h1.83
  text "5" at 14.818,-28.321 h1.52
  text "15.75mil (0.400mm)" at 32.542,-28.321 h1.52
  text "PTH" at 66.721,-28.321 h1.52
  text "Round" at 79.57,-28.321 h1.52
  text "D" at 1.23,-28.575 h1.69
  text "955" at 14.818,-32.131 h1.52
  text "17.72mil (0.450mm)" at 32.542,-32.131 h1.52
  text "PTH" at 66.721,-32.131 h1.52
  text "Round" at 79.57,-32.131 h1.52
  text "C" at 1.23,-32.385 h1.69
  text "14" at 14.818,-35.941 h1.52
  text "31.50mil (0.800mm)" at 32.542,-35.941 h1.52
  text "PTH" at 66.721,-35.941 h1.52
  text "Round" at 79.57,-35.941 h1.52
  text "K" at 1.23,-36.195 h1.69
  text "32" at 14.818,-39.751 h1.52
  text "35.43mil (0.900mm)" at 32.542,-39.751 h1.52
  text "PTH" at 66.721,-39.751 h1.52
  text "Round" at 79.57,-39.751 h1.52
  text "H" at 1.23,-40.005 h1.69
  text "2" at 14.818,-43.561 h1.52
  text "39.37mil (1.000mm)" at 32.542,-43.561 h1.52
  text "NPTH" at 66.721,-43.561 h1.52
  text "Round" at 79.57,-43.561 h1.52
  text "M" at 1.23,-43.815 h1.69
  text "39" at 14.818,-47.371 h1.52
  text "39.37mil (1.000mm)" at 32.542,-47.371 h1.52
  text "PTH" at 66.721,-47.371 h1.52
  text "Round" at 79.57,-47.371 h1.52
  text "F" at 1.23,-47.625 h1.69
  text "32" at 14.818,-51.181 h1.52
  text "43.31mil (1.100mm)" at 32.542,-51.181 h1.52
  text "PTH" at 66.721,-51.181 h1.52
  text "Round" at 79.57,-51.181 h1.52
  text "L" at 1.23,-51.435 h1.69
  text "2" at 14.818,-54.991 h1.52
  text "47.24mil (1.200mm)" at 32.542,-54.991 h1.52
  text "PTH" at 66.721,-54.991 h1.52
  text "Round" at 79.57,-54.991 h1.52
  text "G" at 1.23,-55.245 h1.69
  text "40" at 14.818,-58.801 h1.52
  text "51.18mil (1.300mm)" at 32.542,-58.801 h1.52
  text "PTH" at 66.721,-58.801 h1.52
  text "Round" at 79.57,-58.801 h1.52
  text "E" at 1.23,-59.055 h1.69
  text "8" at 14.818,-62.611 h1.52
  text "55.12mil (1.400mm)" at 32.542,-62.611 h1.52
  text "PTH" at 66.721,-62.611 h1.52
  text "Round" at 79.57,-62.611 h1.52
  text "P" at 1.23,-62.865 h1.69
  text "2" at 14.818,-66.421 h1.52
  text "62.99mil (1.600mm)" at 32.542,-66.421 h1.52
  text "PTH" at 66.721,-66.421 h1.52
  text "Round" at 79.57,-66.421 h1.52
  text "O" at 1.23,-66.675 h1.69
  text "4" at 14.818,-70.231 h1.52
  text "78.74mil (2.000mm)" at 32.542,-70.231 h1.52
  text "NPTH" at 66.721,-70.231 h1.52
  text "Round" at 79.57,-70.231 h1.52
  text "I" at 1.512,-70.485 h1.69
  text "4" at 14.818,-74.041 h1.52
  text "118.11mil (3.000mm)" at 32.542,-74.041 h1.52
  text "NPTH" at 66.721,-74.041 h1.52
  text "Round" at 79.57,-74.041 h1.52
  text "J" at 1.23,-74.295 h1.69
  text "2" at 14.818,-77.851 h1.52
  text "125.98mil (3.200mm)" at 32.542,-77.851 h1.52
  text "NPTH" at 66.721,-77.851 h1.52
  text "Round" at 79.57,-77.851 h1.52
  text "N" at 1.23,-78.105 h1.69
  text "1141 Total" at 14.818,-81.661 h1.52

## Dimensions
207.92,39.42 to 276.86,-5.08 on Cotes (Mec6)
276.86,-5.08 to 274.32,-2.54 on Cotes (Mec6)
276.86,-5.08 to 274.32,-2.54 on Cotes (Mec6)
81.28,-4.08 to -5.08,-5.08 on Cotes (Mec6)
1.42,6.92 to -5.08,-5.08 on Cotes (Mec6)
58.42,5.92 to -5.08,-5.08 on Cotes (Mec6)
130.81,7.92 to -5.08,-5.08 on Cotes (Mec6)
153.67,7.92 to -5.08,-5.08 on Cotes (Mec6)
146.05,7.92 to -5.08,-5.08 on Cotes (Mec6)
-5.08,-5.08 to 138.43,7.92 on Cotes (Mec6)
130.81,7.92 to -5.08,-5.08 on Cotes (Mec6)
58.42,7.747 to -5.08,-5.08 on Cotes (Mec6)
-5.08,-5.08 to 1.42,7.92 on Cotes (Mec6)
0,31.92 to -5.08,83.92 on Cotes (Mec6)
-5.08,-5.08 to 276.86,-5.08 on Cotes (Mec6)
-5.08,-5.08 to -5.08,83.92 on Cotes (Mec6)
5.08,82.92 to -5.08,83.92 on Cotes (Mec6)
-5.08,83.92 to 20.32,84.92 on Cotes (Mec6)
-5.08,83.92 to 12.7,75.64 on Cotes (Mec6)
-5.08,-5.08 to 29.92,44.92 on Cotes (Mec6)
5.08,82.92 to 218.44,84.92 on Cotes (Mec6)
218.44,85.424 to 276.86,87.73 on Cotes (Mec6)
-5.08,-5.08 to 18.42,6.65 on Cotes (Mec6)
-5.08,-5.08 to 18.42,6.65 on Cotes (Mec6)
276.86,-5.08 to 261.841,75.62 on Cotes (Mec6)
-5.08,83.92 to 260.92,75.62 on Cotes (Mec6)
-5.08,-5.08 to 260.32,0.52 on Cotes (Mec6)
276.86,-5.08 to 267.12,3.22 on Cotes (Mec6)
265.12,4.92 to -5.08,-5.08 on Cotes (Mec6)
276.86,-5.08 to 269.92,5.92 on Cotes (Mec6)
36.92,26 to -5.08,-5.08 on Cotes (Mec6)
35.814,26.924 to -5.08,-5.08 on Cotes (Mec6)
-5.08,-5.08 to 1.42,14.18 on Cotes (Mec6)
-5.08,-5.08 to 11.92,26.62 on Cotes (Mec6)
-5.08,-5.08 to 17.32,36.22 on Cotes (Mec6)
-5.08,-5.08 to 22.62,33.42 on Cotes (Mec6)
-5.08,-5.08 to 17.32,26.62 on Cotes (Mec6)
-5.08,-5.08 to 17.32,36.22 on Cotes (Mec6)
-5.08,-5.08 to 16.724,31.42 on Cotes (Mec6)
-5.08,-5.08 to 15.47,32.171 on Cotes (Mec6)

## Text inside footprints (layer, text, board x,y; h text height)
J3: Top Assy "2" at 118.11,74.682 h0.76; Top Assy "1" at 118.11,72.142 h0.76; Top Assy "26" at 152.654,74.682 h0.76; Top Assy "25" at 152.654,72.142 h0.76; Top Assy "19" at 143.129,68.205 h0.76; Top Assy "1" at 120.396,68.205 h0.76; Top Assy "20" at 143.129,79 h0.76; Top Assy "2" at 120.523,79 h0.76